# Altium PCB SOM Board with RK3399.PcbDoc (part 1 of 5) (continued)
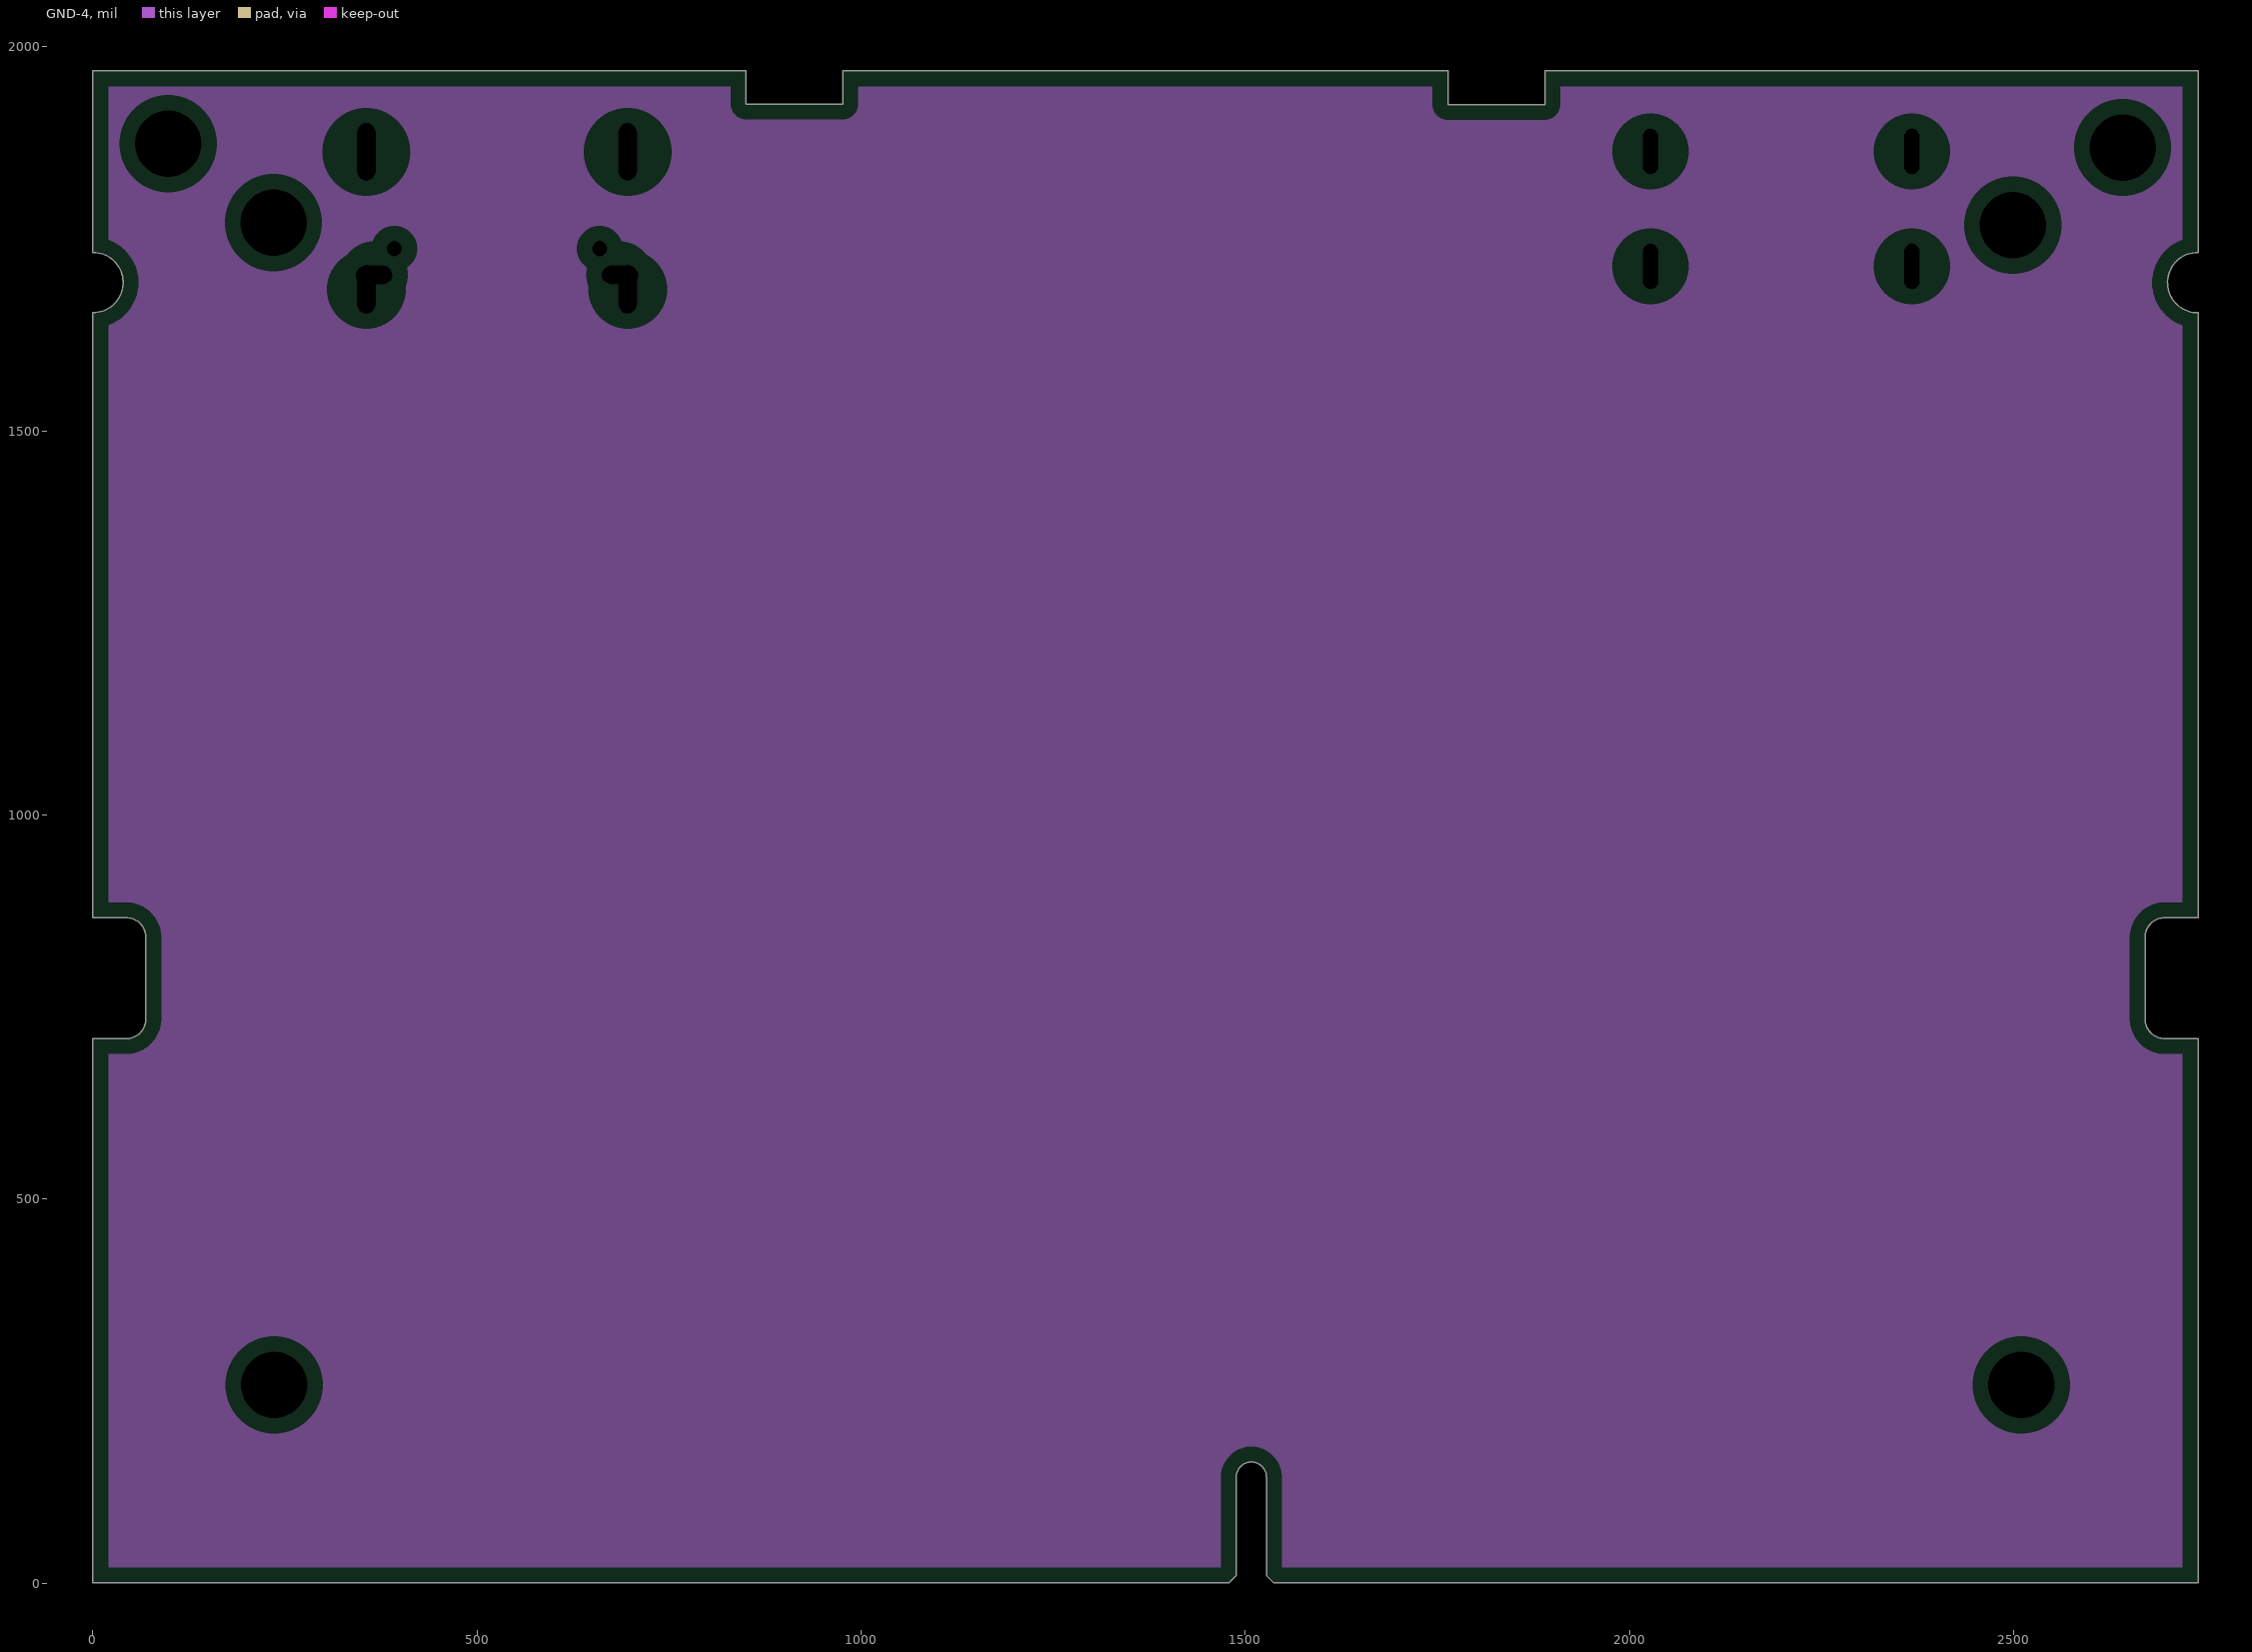
[diagram p7: GND-4, clearances drawn from the general rule]
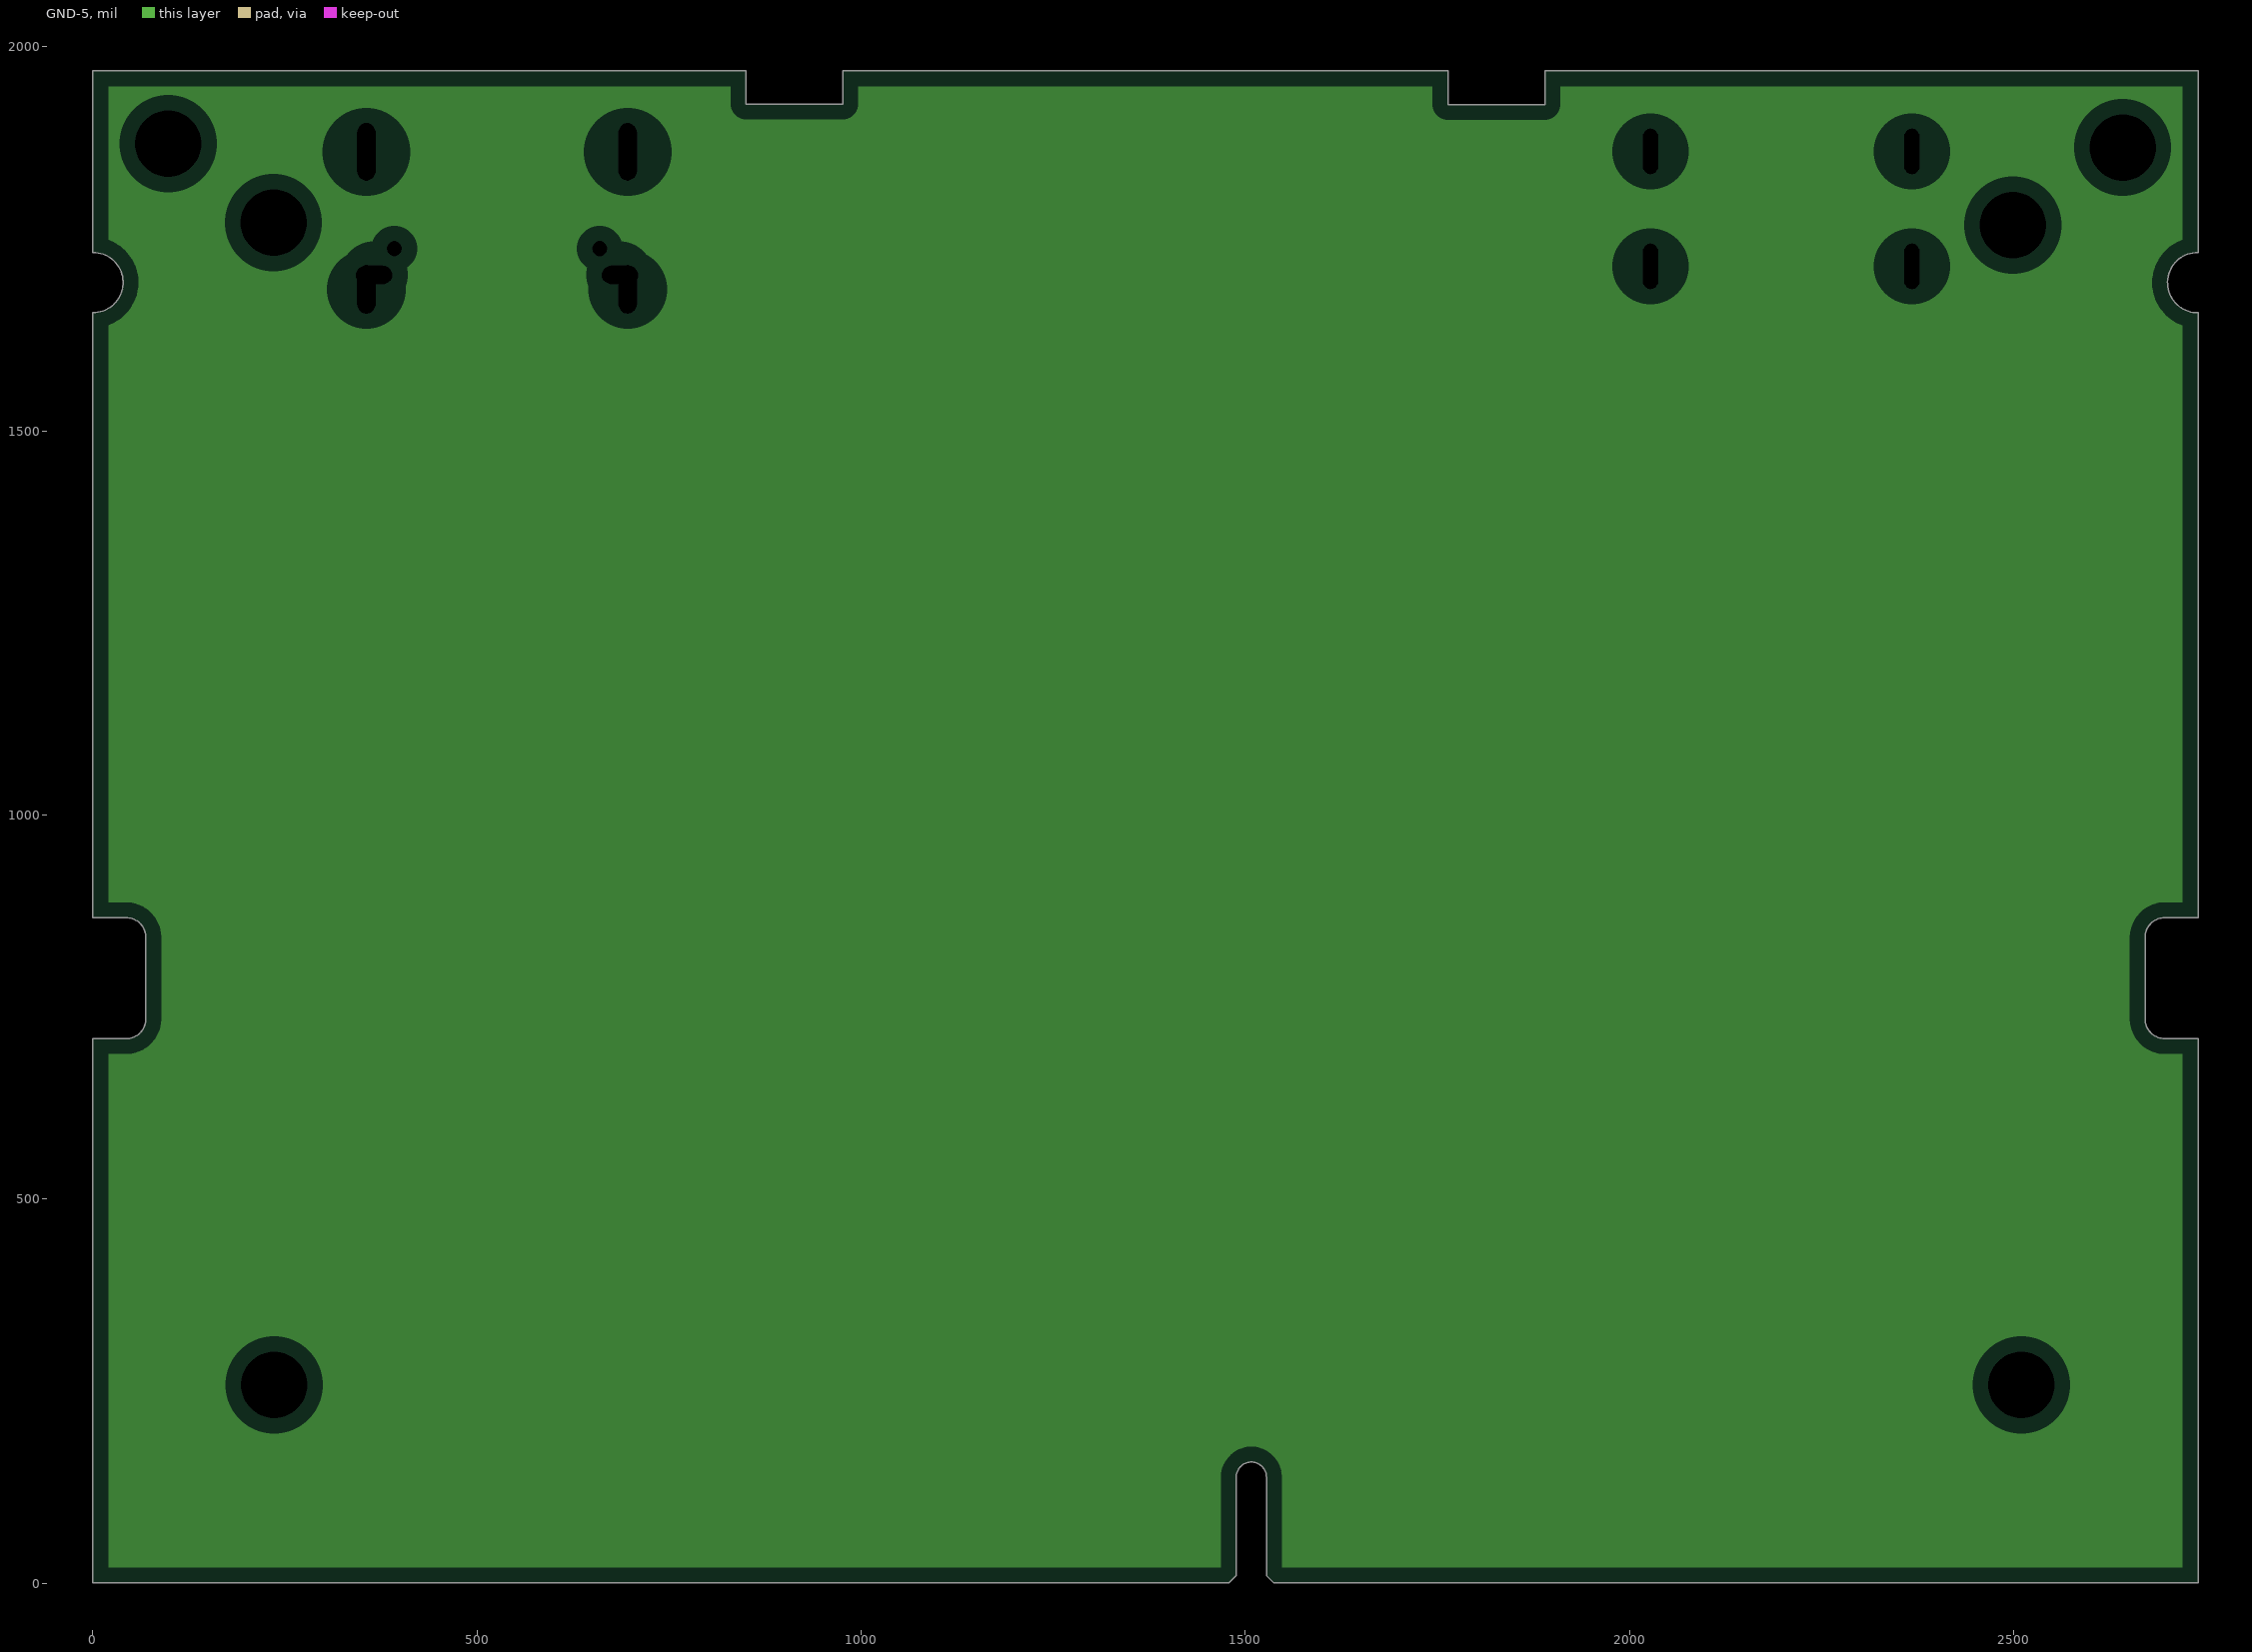
[diagram p8: GND-5, clearances drawn from the general rule]

## Layer stack, top to bottom
Top Solder: solder mask 0.5, Solder Resist, Dk 3.3
Top Layer: signal copper 0.59
Dielectric 2: prepreg 4.6, PP-016, Dk 4.3
GND-1: plane copper 1.378
Dielectric 4: core 5.51, PP-006, Dk 4.3
PWR-1: plane copper 1.378
Dielectric 6: prepreg 4.6, PP-016, Dk 4.3
PWR-2: plane copper 1.378
Dielectric 8: core 5.51, PP-006, Dk 4.3
GND-2: plane copper 1.378
Dielectric 10: prepreg 4.6, PP-016, Dk 4.3
L1: signal copper 1.378
Dielectric 1: core 5.51, FR-4, Dk 4.3
GND-3: plane copper 1.378
Dielectric 11: prepreg 4.6, PP-016, Dk 4.3
L2: signal copper 1.378
Dielectric 9: core 5.51, PP-006, Dk 4.3
GND-4: plane copper 1.378
Dielectric 7: prepreg 4.6, PP-016, Dk 4.3
L3: signal copper 1.378
Dielectric 5: core 5.51, PP-006, Dk 4.3
GND-5: plane copper 1.378
Dielectric 3: prepreg 4.6, PP-016, Dk 4.3
Bottom Layer: signal copper 1.378
Bottom Solder: solder mask 0.5, Solder Resist, Dk 3.3

## Board outline
0.02,0.17 1478.37,0.17 1488.21,10.01 1488.21,137.96 cw(c1507.9,137.96) 1507.9,157.65 cw(c1507.9,137.96) 1527.58,137.96 1527.58,10.01 1537.43,0.17 2740.18,0.17 2740.18,708.83 2696.87,708.83 cw(c2696.87,734.42) 2671.28,734.42 2671.28,840.72 cw(c2696.87,840.72) 2696.87,866.31 2740.18,866.31 2740.18,1653.77 cw(c2739.72,1693.06) 2739.72,1732.37 2740.18,1732.37 2740.18,1968.67 1889.92,1968.67 1889.92,1924.97 1763.82,1924.97 1763.82,1968.57 1763.72,1968.67 976.32,1968.67 976.32,1925.27 850.22,1925.27 850.22,1968.67 0.02,1968.67 0.02,1929.69 0.03,1929.7 ccw(c39.39,1929.1) 0.02,1929.3 0.02,1732.27 0.32,1732.27 cw(c0.32,1693.21) 0.02,1654.17 0.02,866.31 43.33,866.31 cw(c43.33,840.72) 68.92,840.72 68.92,734.42 cw(c43.33,734.42) 43.33,708.83 0.02,708.83

## Design rules (kind name [scope] priority, off if disabled: settings)
Clearance [All] p1: gap=10 ignorepadtopadclearanceinfootprint=TRUE except(0: Arc-Hole Track-Hole SMDPad-Hole THPad-Hole Via-Hole Fill-Hole Poly-Hole Region-Hole Text-Hole)
PlaneClearance [All] p1: clearance=20
PlaneConnect [All] p1: planeconnectstyle=Relief reliefexpansion=20 reliefentries=4 reliefconductorwidth=10 reliefairgap=10
PolygonConnect [All] p1: connectstyle=Relief reliefconductorwidth=10 reliefentries=4 polygonreliefangle="90 Angle" airgapwidth=10
RoutingVias [All] p1: holewidth=28 width=50 viastyle="Through Hole" minholewidth=28 minwidth=50 maxholewidth=28 maxwidth=50
SolderMaskExpansion [All] p1: expansion=4 istentingtop=FALSE
Width [All] p1: maxlimit=10 minlimit=10 preferedwidth=10
28 further rules are at their usual default settings.

## Classes and differential pairs
component class [19]-DDR4_260_PIN_CON: J5 MH1 MH2 MH3 MH4 MH5 MH6 R109
component class [18]-SP3_PMIC_BLOCK: C259 C260 C261 C262 C263 C264 C265 C266 C267 C268 C269 C270 C271 C272 C273 C274 C275 C276 C277 C278 C279 C280 C281 C282 C283 C284 C285 C286 C287 C288 C289 C290 C291 C292 C293 C294 C295 C296 C297 C298 C299 C300 D4 D5 D6 L5 L6 L7 L8 Q3 Q4 R79 R80 R81 R82 R83 R84 R85 R86 R87 R88 R89 U14 Y3
component class [17]-SP2_BUCKs_GPU_LOG_CPU-B: C228 C229 C230 C231 C232 C233 C234 C235 C236 C237 C238 C239 C240 C241 C242 C243 C244 C245 C246 C247 C248 C249 L1 L2 L3 L4 Q1 Q2 R60 R61 R62 R63 R64 R65 R66 R67 R68 R69 R70 R71 R72 R73 R74 R75 U9 U10 U11 U12
component class [16]-SP1_TYPEC_PWR_IN: C315 C316 C317 C318 C319 C320 C321 C322 C323 C324 C325 C326 C327 C328 C329 C330 C331 C332 C333 C334 FD1 FD2 FD3 FD4 FD5 FD6 FD7 FD8 J4 L9 L10 Q5 R96 R97 R98 R99 R100 R101 R102 R103 R104 R105 R106 U17 U18 U19
component class [15]-Push_Button_&_SYS_LED: DS1 Q6 R107 R108 SW1 SW2 SW3
component class [14]-RGMII_PHY: C335 C336 C337 C338 C339 C340 C341 C342 C343 C344 C345 C346 C347 C348 C349 C350 C351 C352 C353 C354 L11 R110 R111 R112 R113 R114 R115 R116 R117 R118 R119 R120 R121 R122 R123 R124 R125 R126 R127 R128 R129 R130 R131 R132 U20 Y4
component class [13]-TYPEC0_PROG: C301 C302 C303 C304 C305 C306 C307 C308 C309 C310 C311 C312 C313 C314 D7 J3 R90 R91 R92 R93 R94 R95 U15 U16
component class "[12]-WIFI Module WF60": C216 C217 C218 C219 C220 C221 C222 C223 C224 C225 C226 C227 J1 J2 R51 R52 R53 R54 R55 R56 R57 R58 R59 U5 U6 U7 U8 Y1
component class "[11]-EMMC Chip": C208 C209 C210 C211 C212 C213 C214 C215 R50 U4
component class "[10]-LPDDR4 SDRAM-2": C163 C164 C165 C166 C167 C168 C169 C170 C171 C172 C173 C174 C175 C176 C177 C178 C179 C180 C181 C182 C183 C184 C185 C186 C187 C188 C189 C190 C191 C192 C193 C194 C195 C196 C197 C198 C199 C200 C201 C202 C203 C204 C205 C206 C207 FB7 R46 R47 R48 R49 U3
component class "[9]-LPDDR4 SDRAM-1": C118 C119 C120 C121 C122 C123 C124 C125 C126 C127 C128 C129 C130 C131 C132 C133 C134 C135 C136 C137 C138 C139 C140 C141 C142 C143 C144 C145 C146 C147 C148 C149 C150 C151 C152 C153 C154 C155 C156 C157 C158 C159 C160 C161 C162 FB6 R42 R43 R44 R45 U2
component class "[8]-RK3399 SDRAM Page": C100 C101 C102 C103 C104 C105 C106 C107 C108 C109 C110 C111 C112 C113 C114 C115 C116 C117 FB2 FB3 FB4 FB5 R40 R41
component class "[7]-RGMII_SDIO_SPI_GPIOs etc": C92 C93 C94 C95 C96 C97 C98 C99 R23 R24 R25 R26 R27 R28 R29 R30 R31 R32 R33 R34 R35 R36 R37 R38 R39
component class "[6]-MIPI-CSI_GPIOs and I2C": C88 C89 C90 C91 R17 R18 R19 R20 R21 R22
component class "[5]-USB2, TYPEC, USIC": C79 C80 C81 C82 C83 C84 C85 C86 C87 D2 D3 R9 R10 R11 R12 R13 R14 R15 R16
component class "[4]-RK3399 EDP_CSI_HDMI": C64 C65 C66 C67 C68 C69 C70 C71 C72 C73 C74 C75 C76 C77 C78 D1 R5 R6 R7 R8
component class [3]-RK3399_EMMC_ADC_PCIE: C56 C57 C58 C59 C60 C61 C62 C63 FB1 R1 R2 R3 R4
component class [2]-PMUIO_BLOCK: C250 C251 C252 C253 C254 C255 C256 C257 C258 FB8 FB9 FB10 R76 R77 R78 U13 Y2
component class "[1]-Power Pins Page of RK3399": C1 C2 C3 C4 C5 C6 C7 C8 C9 C10 C11 C12 C13 C14 C15 C16 C17 C18 C19 C20 C21 C22 C23 C24 C25 C26 C27 C28 C29 C30 C31 C32 C33 C34 C35 C36 C37 C38 C39 C40 C41 C42 C43 C44 C45 C46 C47 C48 C49 C50 C51 C52 C53 C54 C55 U1

## Components (designator, comment, footprint, x,y, rotation, side; value= is the part's Value field where it differs from the comment)
C1 "10uF" CAP_0402 1696.85,874.02 r45 bottom
C2 "10uF" CAP_0402 1650.8,903.5 r315 bottom
C3 "10uF" CAP_0402 1513.67,964.14 r315 bottom
C4 "10uF" CAP_0402 14067,968 r0 top
C5 "10uF" CAP_0402 1527.56,1031.5 r225 bottom
C6 "22uF" CAP_0402 1490.28,939.71 r315 bottom
C7 "10uF" CAP_0402 1472.15,869.9 r45 bottom
C8 "1uF" CAP_0201 1491.85,847.68 r45 bottom
C9 "100nF" CAP_0201 1510.5,827.98 r45 bottom
C10 "100nF" CAP_0201 1524.55,801.99 r45 bottom
C11 "100nF" CAP_0201 1544.46,781.03 r45 bottom
C12 "100nF" CAP_0201 1563.42,761.55 r45 bottom
C13 "1nF" CAP_0201 1604.36,794.78 r225 bottom
C14 "22uF" CAP_0402 1495.57,1054.62 r225 bottom
C15 "10uF" CAP_0402 1475.5,1079.53 r225 bottom
C16 "1uF" CAP_0201 1462.5,1124.51 r315 bottom
C17 "100nF" CAP_0201 1498.74,1143.66 r225 bottom
C18 "100nF" CAP_0201 1536.32,1103.53 r225 bottom
C19 "100nF" CAP_0201 1518.31,1124.21 r225 bottom
C20 "100nF" CAP_0201 1557.22,1083.97 r225 bottom
C21 "1nF" CAP_0201 1577.01,1064.85 r225 bottom
C22 "22uF" CAP_0402 1601.72,856.15 r315 bottom
C23 "22uF" CAP_0402 1627,880 r315 bottom
C24 "1uF" CAP_0201 1587,833 r315 bottom
C25 "100nF" CAP_0201 1586,941 r315 bottom
C26 "100nF" CAP_0201 1548,906 r315 bottom
C27 "100nF" CAP_0201 1567,924 r315 bottom
C28 "100nF" CAP_0201 1528,887 r315 bottom
C29 "1nF" CAP_0201 1569.41,815.96 r315 bottom
C30 "22uF" CAP_0402 1724.41,944.88 r225 bottom
C31 "22uF" CAP_0402 1714.34,980.1 r225 bottom
C32 "22uF" CAP_0402 1691.97,1004.57 r225 bottom
C33 "1uF" CAP_0201 1655.57,1013.18 r225 bottom
C34 "100nF" CAP_0201 1636.23,1034.39 r225 bottom
C35 "100nF" CAP_0201 1606.3,960.63 r315 bottom
C36 "100nF" CAP_0201 1625.98,980.32 r315 bottom
C37 "100nF" CAP_0201 1677.94,919.28 r135 bottom
C38 "100nF" CAP_0201 1742.49,919.28 r225 bottom
C39 "1nF" CAP_0201 1657.48,952.76 r225 bottom
C40 "22uF" CAP_0402 2806,952 r90 top
C41 "22uF" CAP_0402 3036,952 r90 top
C42 "22uF" CAP_0402 3247,952 r90 top
C43 "22uF" CAP_0402 3477,952 r90 top
C44 "22uF" CAP_0402 3707,952 r90 top
C45 "22uF" CAP_0402 3938,952 r90 top
C46 "22uF" CAP_0402 4168,952 r90 top
C47 "22uF" CAP_0402 4399,952 r90 top
C48 "1uF" CAP_0201 4627,958 r90 top
C49 "100nF" CAP_0201 4857,958 r90 top
C50 "100nF" CAP_0201 5087,958 r90 top
C51 "100nF" CAP_0201 5318,958 r90 top
C52 "100nF" CAP_0201 5528,958 r90 top
C53 "100nF" CAP_0201 5758,958 r90 top
C54 "100nF" CAP_0201 5988,958 r90 top
C55 "1nF" CAP_0201 6219,958 r90 top
C56 "100nF" CAP_0201 4716,1496 r90 top
C57 "100nF" CAP_0201 4947,1496 r90 top
C58 "100nF" CAP_0201 4316,1496 r90 top
C59 "100nF" CAP_0201 4085,1496 r90 top
C60 "1nF" CAP_0201 3685,1496 r90 top
C61 "100nF" CAP_0201 3264,1496 r90 top
C62 "1uF" CAP_0201 2803,1496 r90 top
C63 "1uF" CAP_0201 3034,1496 r90 top
C64 "100nF" CAP_0201 6876,1711 r90 top
C65 "100nF" CAP_0201 6645,1711 r90 top
C66 "100nF" CAP_0201 6415,1711 r90 top
C67 "100nF" CAP_0201 6185,1711 r90 top
C68 "100nF" CAP_0201 5955,1711 r90 top
C69 "100nF" CAP_0201 5724,1711 r90 top
C70 "100nF" CAP_0201 5494,1711 r90 top
C71 "100nF" CAP_0201 5097,1711 r90 top
C72 "1uF" CAP_0201 4125,1711 r90 top
C73 "100nF" CAP_0201 4355,1711 r90 top
C74 "100nF" CAP_0201 3434,1711 r90 top
C75 "1uF" CAP_0201 3665,1711 r90 top
C76 "100nF" CAP_0201 3895,1711 r90 top
C77 "100nF" CAP_0201 3204,1711 r90 top
C78 "100nF" CAP_0201 2803,1711 r90 top
C79 "100nF" CAP_0201 4626,1926 r90 top
C80 "100nF" CAP_0201 4856,1926 r90 top
C81 "100nF" CAP_0201 5086,1926 r90 top
C82 "100nF" CAP_0201 4396,1926 r90 top
C83 "100nF" CAP_0201 3705,1926 r90 top
C84 "100nF" CAP_0201 3935,1926 r90 top
C85 "100nF" CAP_0201 4165,1926 r90 top
C86 "100nF" CAP_0201 3244,1926 r90 top
C87 "100nF" CAP_0201 3475,1926 r90 top
C88 "100nF" CAP_0201 3474,2138 r90 top
C89 "100nF" CAP_0201 3705,2138 r90 top
C90 "100nF" CAP_0201 3244,2138 r90 top
C91 "100nF" CAP_0201 2803,2138 r90 top
C92 "100nF" CAP_0201 6469,2350 r90 top
C93 "100nF" CAP_0201 6700,2350 r90 top
C94 "100nF" CAP_0201 5337,2350 r90 top
C95 "100nF" CAP_0201 5107,2350 r90 top
C96 "100nF" CAP_0201 4877,2350 r90 top
C97 "100nF" CAP_0201 3264,2350 r90 top
C98 "100nF" CAP_0201 3034,2350 r90 top
C99 "100nF" CAP_0201 2803,2350 r90 top
C100 "22uF" CAP_0402 5228,2566 r90 top
C101 "10uF" CAP_0402 5509,2566 r90 top
C102 "1uF" CAP_0201 5767,2572 r90 top
C103 "100nF" CAP_0201 6047,2572 r90 top
C104 "100nF" CAP_0201 6327,2572 r90 top
C105 "100nF" CAP_0201 6607,2572 r90 top
C106 "100nF" CAP_0201 6888,2572 r90 top
C107 "100nF" CAP_0201 7168,2572 r90 top
C108 "100nF" CAP_0201 7448,2572 r90 top
C109 "100nF" CAP_0201 4946,2572 r90 top
C110 "22uF" CAP_0402 2806,2566 r90 top
C111 "10uF" CAP_0402 3076,2566 r90 top
C112 "1uF" CAP_0201 3324,2572 r90 top
C113 "100nF" CAP_0201 3595,2572 r90 top
C114 "100nF" CAP_0201 3865,2572 r90 top
C115 "100nF" CAP_0201 4135,2572 r90 top
C116 "100nF" CAP_0201 4405,2572 r90 top
C117 "100nF" CAP_0201 4675,2572 r90 top
C118 "22uF" CAP_0402 10543,3352 r90 top
C119 "10uF" CAP_0402 10814,3352 r90 top
C120 "1uF" CAP_0201 11082,3358 r90 top
C121 "100nF" CAP_0201 11362,3358 r90 top
C122 "100nF" CAP_0201 11622,3358 r90 top
C123 "100nF" CAP_0201 11903,3358 r90 top
C124 "100nF" CAP_0201 12183,3358 r90 top
C125 "100nF" CAP_0201 12463,3358 r90 top
C126 "100nF" CAP_0201 12743,3358 r90 top
C127 "22uF" CAP_0402 13026,3352 r90 top
C128 "10uF" CAP_0402 13306,3352 r90 top
C129 "1uF" CAP_0201 13584,3358 r90 top
C130 "100nF" CAP_0201 13865,3358 r90 top
C131 "100nF" CAP_0201 14145,3358 r90 top
C132 "100nF" CAP_0201 14405,3358 r90 top
C133 "100nF" CAP_0201 14685,3358 r90 top
C134 "100nF" CAP_0201 14966,3358 r90 top
C135 "100nF" CAP_0201 15246,3358 r90 top
C136 "22uF" CAP_0402 5539,3352 r90 top
C137 "10uF" CAP_0402 5819,3352 r90 top
C138 "1uF" CAP_0201 6097,3358 r90 top
C139 "100nF" CAP_0201 6377,3358 r90 top
C140 "100nF" CAP_0201 6658,3358 r90 top
C141 "100nF" CAP_0201 6938,3358 r90 top
C142 "100nF" CAP_0201 7198,3358 r90 top
C143 "100nF" CAP_0201 7478,3358 r90 top
C144 "100nF" CAP_0201 7759,3358 r90 top
C145 "22uF" CAP_0402 8041,3352 r90 top
C146 "10uF" CAP_0402 8321,3352 r90 top
C147 "1uF" CAP_0201 8600,3358 r90 top
C148 "100nF" CAP_0201 8880,3358 r90 top
C149 "100nF" CAP_0201 9160,3358 r90 top
C150 "100nF" CAP_0201 9440,3358 r90 top
C151 "100nF" CAP_0201 9721,3358 r90 top
C152 "100nF" CAP_0201 9981,3358 r90 top
C153 "100nF" CAP_0201 10261,3358 r90 top
C154 "22uF" CAP_0402 2806,3352 r90 top
C155 "10uF" CAP_0402 3086,3352 r90 top
C156 "1uF" CAP_0201 3364,3358 r90 top
C157 "100nF" CAP_0201 3645,3358 r90 top
C158 "100nF" CAP_0201 3925,3358 r90 top
C159 "100nF" CAP_0201 4205,3358 r90 top
C160 "100nF" CAP_0201 4485,3358 r90 top
C161 "100nF" CAP_0201 4765,3358 r90 top
C162 "100nF" CAP_0201 5026,3358 r90 top
C163 "22uF" CAP_0402 10623,4138 r90 top
C164 "10uF" CAP_0402 10904,4138 r90 top
C165 "1uF" CAP_0201 11182,4144 r90 top
C166 "100nF" CAP_0201 11462,4144 r90 top
C167 "100nF" CAP_0201 11742,4144 r90 top
C168 "100nF" CAP_0201 12023,4144 r90 top
C169 "100nF" CAP_0201 12303,4144 r90 top
C170 "100nF" CAP_0201 12583,4144 r90 top
C171 "100nF" CAP_0201 12863,4144 r90 top
C172 "22uF" CAP_0402 13126,4138 r90 top
C173 "10uF" CAP_0402 13406,4138 r90 top
C174 "1uF" CAP_0201 13684,4144 r90 top
C175 "100nF" CAP_0201 13965,4144 r90 top
C176 "100nF" CAP_0201 14245,4144 r90 top
C177 "100nF" CAP_0201 14525,4144 r90 top
C178 "100nF" CAP_0201 14805,4144 r90 top
C179 "100nF" CAP_0201 15086,4144 r90 top
C180 "100nF" CAP_0201 15366,4144 r90 top
C181 "22uF" CAP_0402 5619,4138 r90 top
C182 "10uF" CAP_0402 5879,4138 r90 top
C183 "1uF" CAP_0201 6157,4144 r90 top
C184 "100nF" CAP_0201 6437,4144 r90 top
C185 "100nF" CAP_0201 6718,4144 r90 top
C186 "100nF" CAP_0201 6998,4144 r90 top
C187 "100nF" CAP_0201 7278,4144 r90 top
C188 "100nF" CAP_0201 7558,4144 r90 top
C189 "100nF" CAP_0201 7839,4144 r90 top
C190 "22uF" CAP_0402 8121,4138 r90 top
C191 "10uF" CAP_0402 8401,4138 r90 top
C192 "1uF" CAP_0201 8660,4144 r90 top
C193 "100nF" CAP_0201 8940,4144 r90 top
C194 "100nF" CAP_0201 9220,4144 r90 top
C195 "100nF" CAP_0201 9500,4144 r90 top
C196 "100nF" CAP_0201 9780,4144 r90 top
C197 "100nF" CAP_0201 10061,4144 r90 top
C198 "100nF" CAP_0201 10341,4144 r90 top
C199 "22uF" CAP_0402 2806,4138 r90 top
C200 "10uF" CAP_0402 3086,4138 r90 top
C201 "1uF" CAP_0201 3374,4144 r90 top
C202 "100nF" CAP_0201 3645,4144 r90 top